# KiCad board 5wy19_converted.kicad_pcb (continued)
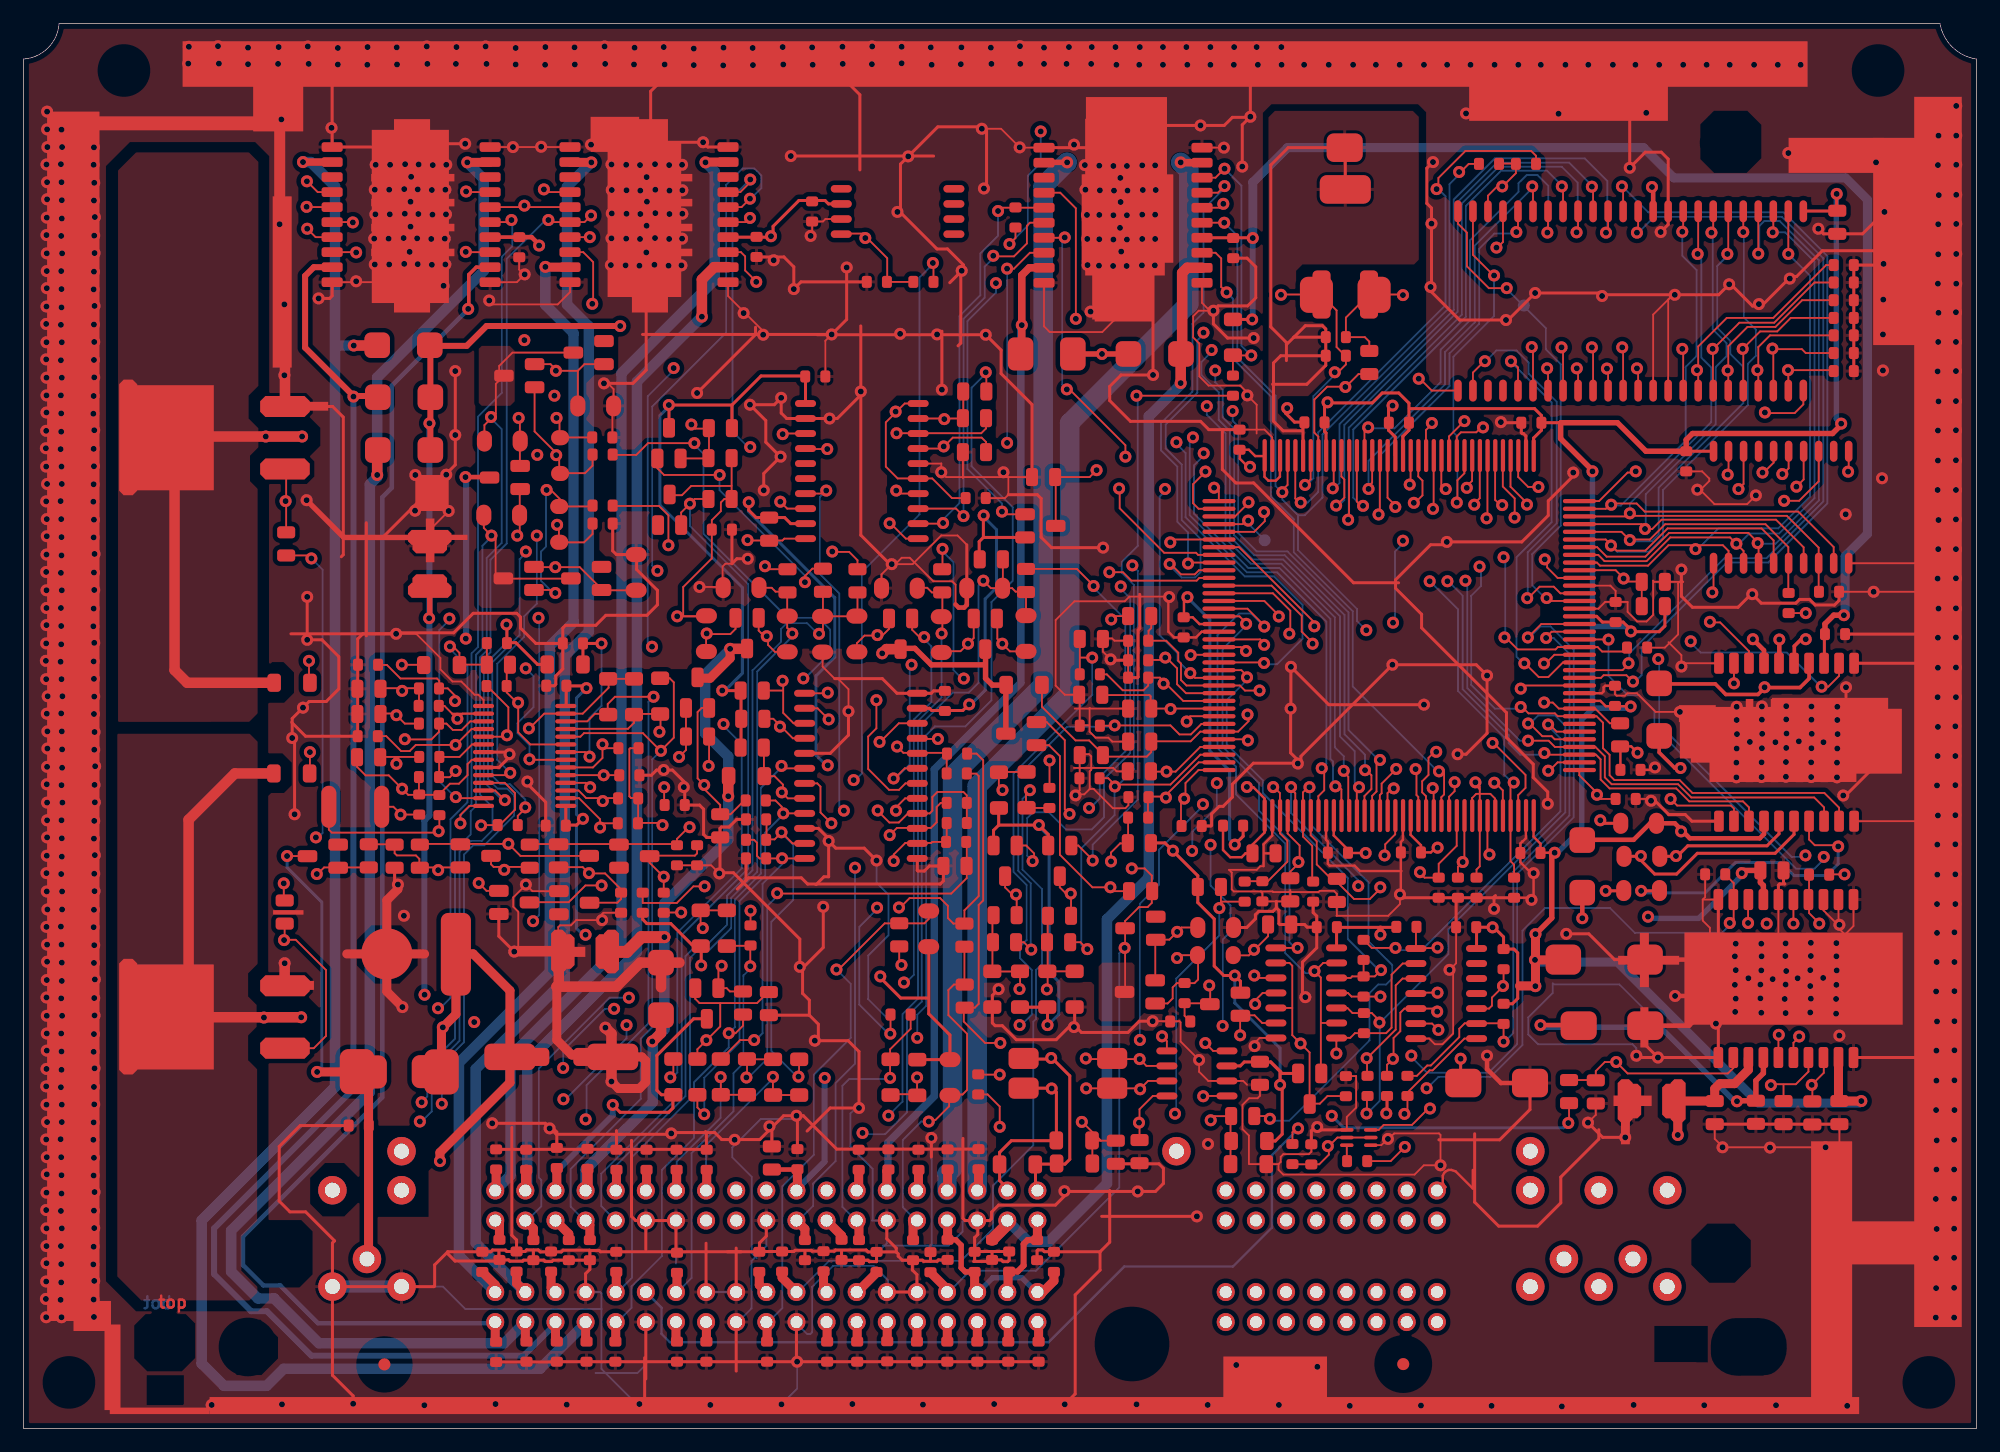
[diagram p0: board, top side]
## Routing (per net, layer and track width the routed paths; a pad name or vN(x,y) marks a point on that pad's centre or on a via; arc(x,y) is an arc through that point) (continued)
FUEL OUT DRV: length 72.3
  TopLayer w0.152: v1(98.65,63.88) 99.05,63.49 101.07,63.49 ; v1(54.52,74.7) 54.52,77.23 53.73,78.02 49.84,78.02 R25.2
  MidLayer2 w0.254: 54.41,74.7 55.17,74.7 60.91,80.44 76.25,80.44 76.86,79.83 91.16,79.83 91.8,80.47 95.43,80.47 96.34,79.55 96.34,79.48
  BottomLayer w0.152: v1(98.65,63.88) 97.58,64.96 97.58,65.58 96.06,67.09 96.06,78.82 96.52,79.27 v1(96.52,79.46)
Fuel Pump Out: length 135.3
  TopLayer w0.381: v1(148.46,66.73) 148.46,64.95
  TopLayer w0.762: J1.b28 70.48,8.95 C133.1
  MidLayer2 w0.254: 70.47,8.97 70.47,8.96 74.65,4.78 87.76,4.78 90.07,7.09 90.07,8.94 93.47,12.34 96.19,12.34 100.94,7.59 120.5,7.59 124.74,11.84 124.74,23.98 142.62,41.86 142.62,64.8 145.64,67.82 147.37,67.82 v1(148.46,66.73)
HIP0045 CE: length 29.4
  TopLayer w0.152: IC3.15 149.25,81.2 148.77,80.72 v1(148.72,80.72) ; 144.63,64.87 v1(144.63,63.02)
  MidLayer2 w0.254: v1(148.72,80.72) 150.34,80.72 151.92,79.15 151.92,66.32 151.13,65.53 147.14,65.53 v1(144.63,63.02)
HO2S Heater (B1/S1): length 98.3
  TopLayer w0.635: IC6.19 97.87,107.06 v1(97.84,107.09)
  TopLayer w0.762: J1.a8 80.75,20.23 C92.1
  BottomLayer w1.651: J1.a8 80.63,54.33 88.45,62.15 88.45,85.05 98.53,95.13 98.53,106.4 v1(97.84,107.09)
HO2S Heater (B1/S2): length 94.9
  TopLayer w0.457: v1(88.24,107.09) 86.31,107.09
  TopLayer w0.762: C94.1 78.13,20.16 J1.a9
  BottomLayer w1.651: v1(88.24,107.09) 88.22,107.09 86.21,105.07 86.21,62.87 78.55,55.21 78.55,21.97 78.08,21.51 J1.a9
HO2S Signal (B1/S1): length 70.4
  TopLayer w0.152: v1(86.53,37.13) 86.59,37.19 86.59,43.33 R112.1 ; R123.2 R124.2
  TopLayer w0.762: J1.b2 40.23,17.22 C106.1
  MidLayer2 w0.254: J1.b2 41.15,18.85 41.15,26.16 45.47,30.48 45.52,30.48 ; 49.81,35.61 50.24,35.18 84.45,35.18 86.36,37.08
  BottomLayer w0.152: v1(45.62,30.48) 45.62,31.95 49.16,35.49 v1(49.93,35.49)
HO2S Signal (B1/S2): length 67.9
  TopLayer w0.152: R111.1 81.92,43.32 81.92,38.84 82.12,38.64 84.15,38.64 84.26,38.53 84.26,37.21 v1(84.21,37.16)
  TopLayer w0.762: J1.b1 43.1,16.9 C113.1
  MidLayer2 w0.254: 51.08,36.5 51.82,35.76 82.68,35.76 84.05,37.13 84.05,37.16
  BottomLayer w0.152: v1(51.18,36.43) 49.55,36.43 43.57,30.45 43.57,21.2 43.77,21 43.77,18.78 42.57,17.58 J1.b1
IAT: length 68.3
  TopLayer w0.152: 114.63,45.8 114.63,45.57 113.84,44.78 112.5,44.78 110.79,46.48 110.57,46.48 109.35,47.7 109.35,49.66 108.83,50.17 108.83,51.83 ; v1(61.47,43.79) 61.47,42.58
  MidLayer2 w0.254: 114.63,45.8 114.63,45.75 113.67,44.78 112.32,44.78 112.01,45.09 100.33,45.09 98.86,43.61 95.53,43.61 94.21,42.29 62.81,42.29 61.29,43.82
  vias: v1(114.72,45.77)
IAT Sens Signal: length 35.6
  TopLayer w0.152: R109.2 59.49,40.82 61.33,40.82 61.44,40.71 v1(61.44,39.09)
  TopLayer w0.762: C126.2 55.25,11.62 J1.b15
  BottomLayer w0.152: v1(61.44,39.09) 61.44,38.89 60.86,38.3 60.86,30.89 60.03,30.05 60.03,26.82 56.48,23.28 56.48,12.72 55.29,11.53 J1.b15
IGN 2/3: length 102.8
  TopLayer w0.152: 115.98,51.83 115.98,50.25 115.14,49.4 115.14,48.59 114.99,48.44 ; v1(22,46.1) 22,44.63
  MidLayer2 w0.254: 114.99,48.44 114.22,47.68 112.73,47.68 111.35,49.05 107.42,49.05 105.87,47.5 99.31,47.5 97.82,46 94.36,46 93.07,44.7 90.55,44.7 88.95,46.3 61.42,46.3 59.89,44.78 23.32,44.78 v1(22,46.1)
  vias: v1(115.08,48.46)
IGN 2/3 MON: length 53.1
  TopLayer w0.152: IC9.2 67.13,60.91 v1(68.07,59.97) ; R76.1 24.21,55.42 v1(24.21,57.2)
  MidLayer2 w0.254: 24.23,57.2 28.37,61.34 32.44,61.34 34.26,63.17 45.39,63.17 47.09,61.47 48.06,61.47 49.78,63.2 53.52,63.2 55.7,61.01 59.41,61.01 59.99,60.43 67.41,60.43 67.87,59.97
IGN 4/1: length 126.2
  TopLayer w0.152: 115.33,51.83 115.33,53.74 115.82,54.23 ; v1(24.33,73.58) 24.08,73.84 R29.2
  MidLayer2 w0.254: v1(24.71,49.99) 26.31,48.39 56.85,48.39 63.35,54.89 68.2,54.89 69.19,55.88 71.83,55.88 71.96,56.01 85.42,56.01 86.03,55.4 87.22,55.4 87.71,55.88 89.87,55.88 90.35,55.4 94.18,55.4 95.1,54.48 99.36,54.48 100.96,52.88 114.43,52.88 115.65,54.1 115.7,54.1
  BottomLayer w0.152: v1(24.33,73.58) 24.33,73.58 25.28,72.64 25.28,50.36 24.91,49.99 v1(24.71,49.99)
  vias: v1(115.85,54.14)
IGN 4/1 MON: length 51.2
  TopLayer w0.152: v1(68,62.23) 67.95,62.18 IC9.1 ; 23.96,62.64 24.13,62.81 v1(24.13,64.92)
  MidLayer2 w0.254: 67.87,62.23 67.23,61.6 61.49,61.6 59.64,63.45 55.04,63.45 54.08,64.41 44.37,64.41 43.38,65.41 41.66,65.41 40.64,64.39 35.08,64.39 33.78,65.68 24.92,65.68 24.16,64.92 v1(24.13,64.92)
Ign. Coil 1&4: length 113.8
  TopLayer w0.889: R60.2 13.83,63.07 12.76,64.14 12.76,81.94 ; v1(23.55,83.9) 15.04,83.9
  MidLayer2 w2.413: 26.14,20.12 21.82,20.12 12.24,29.69 12.24,75.74 20.4,83.9 v1(23.55,83.9)
  vias: v1(20.47,83.9)
Ign. Coil 2&3: length 58.2
  TopLayer w0.889: Q24.2 12.55,34.77 v1(23.47,34.77) ; 13.31,36.52 13.95,37.15 13.95,51.48 17.86,55.4 R76.2
  MidLayer2 w2.032: 31.98,20.12 30.94,20.12 20.32,30.73 v1(20.32,34.75) 20.35,34.77 v1(23.47,34.77)
IMMO Data W-Line: length 86.9
  TopLayer w0.152: v1(93.7,47.36) 94.79,47.36 95.4,46.76 95.4,44.44 95.05,44.09 94.32,44.09 93.14,42.92 93.14,36.97 92.9,36.73 ; IC9.7 67.11,54.56 67.38,54.28 67.38,52.1 v1(68.3,51.18)
  TopLayer w0.762: C125.2 76.68,13.19 78.08,11.79 J1.b6
  MidLayer2 w0.254: 93.62,47.37 93.62,48.06 92.63,49.05 70.26,49.05 68.07,51.23
  BottomLayer w0.152: J1.b6 78.23,11.53 80.03,13.33 85.61,13.33 92.64,20.37 92.64,40.19 v1(93.1,40.64)
IMMO Lamp Out: length 118.8
  TopLayer w0.305: IC8.12 38.28,98.22 37.64,97.59 37.64,94.74 v1(37.59,94.69)
  TopLayer w0.762: J1.b40 39.88,7.39
  BottomLayer w0.381: J1.b40 39.78,8.89 24.89,8.89 21.69,12.09 20.27,12.09 18.55,13.8 18.55,16.23 30.33,28.01 30.33,78.76 31.13,79.57 31.13,88.2 37.59,94.66 v1(37.59,94.69)
IN0: length 30.5
  TopLayer w0.152: 120.53,51.83 120.53,53.42 121.01,53.9 121.01,54.48 120.85,54.64 ; IC4.2 144.63,52.43 144.37,52.68 139.83,52.68 v1(139.27,53.24)
  MidLayer2 w0.254: v1(139.27,53.24) 137.67,54.84 132.77,54.84 131.93,54 128.04,54 126.19,55.85 122.07,55.85 120.85,54.64
  vias: v1(121.01,54.66)
IN1: length 61.2
  TopLayer w0.152: v1(152.04,62.74) 152.6,62.74 153.52,63.65 IC4.12 ; 101.07,74.54 102.78,74.54 109.04,68.28 109.04,67.84
  MidLayer2 w0.254: v1(140.97,66.57) 140.89,66.57 139.09,68.38 131.83,68.38 129.26,65.81 124.59,65.81 123.95,66.45 110.44,66.45 109.04,67.84
  BottomLayer w0.152: v1(152.04,62.74) 151.98,62.74 149.1,65.62 141.81,65.62 140.97,66.46 v1(140.97,66.57)
  vias: v1(109.14,67.84)
Injector 1: length 98.6
  TopLayer w0.762: C96.1 39.95,20.19 ; v1(57.66,107.09) 57.68,107.11 IC10.19
  BottomLayer w0.889: J1.a24 41.17,21.41 41.17,31.48 50.55,40.87 50.55,89.25 58.44,97.14 58.44,106.31 v1(57.66,107.09)
Injector 2: length 97.2
  TopLayer w0.762: IC10.9 44.15,98.22 ; J1.b21 39.88,12.14 C123.2
  BottomLayer w0.889: v1(44.12,98.25) 44.12,95.03 46.5,92.65 46.5,68.18 44.49,66.17 44.49,38.61 36.81,30.93 36.81,14.6 J1.b21
Injector 3: length 106.7
  TopLayer w0.762: v1(48.01,107.09) 46.23,107.09 ; J1.b20 41.68,12.28 C118.2
  BottomLayer w0.889: v1(48.01,107.09) 45.95,105.03 45.95,95.06 47.79,93.22 47.79,67.38 45.76,65.34 45.76,37.93 38.23,30.4 38.23,15.69 42.38,11.53 J1.b20
Injector 4: length 89.4
  TopLayer w0.762: C102.1 42.5,20.19 J1.a23
  TopLayer w0.889: v1(57.35,94.03) 57.35,97.18 58.39,98.22 IC10.12 ; C102.1 42.5,20.19
  BottomLayer w0.889: J1.a23 42.59,20.28 42.59,31.01 51.86,40.28 51.86,88.53 v1(57.35,94.03)
ISCV PWM Close: length 150.8
  TopLayer w0.635: IC8.2 v1(23.62,107.11)
  TopLayer w0.762: J1.b37 47.52,7.42
  TopLayer w0.889: 29.97,91.59 v1(27.91,91.59)
  BottomLayer w0.889: v1(23.62,107.11) 24.27,107.11 26.33,105.05 26.33,28.87 15.05,17.59 15.05,5.49 16.93,3.6 20.55,3.6 21.99,5.04 43.66,5.04 47.52,8.9 J1.b37 ; v1(27.91,91.59) 26.52,91.59
ISCV PWM Open: length 137
  TopLayer w0.762: 39.42,107.09 v1(37.52,107.09) ; J1.b39 42.43,7.44
  TopLayer w0.889: 29.9,82.78 v1(29.9,80.65)
  BottomLayer w0.889: J1.b39 40.63,7.2 24.97,7.2 21.19,10.99 19.81,10.99 17.55,13.25 17.55,16.72 29.27,28.45 29.27,79.84 29.9,80.47 29.9,88.89 38.9,97.9 38.9,105.7 v1(37.52,107.09)
K-Line: length 68
  TopLayer w0.152: v1(57.92,56.03) 57.96,56.07 R70.2 ; v1(64.08,56.03) 64.29,55.83 IC9.6 ; R130.2 60.83,34.06 60.2,33.43 v1(59.62,33.43)
  TopLayer w0.762: J1.b36 50.07,7.37
  MidLayer2 w0.254: 63.96,56.06 63.5,56.52 58.27,56.52 57.76,56.01
  BottomLayer w0.152: J1.b36 50.2,8.99 51.4,10.19 51.4,12 53.97,14.58 53.97,21.86 56.68,24.57 56.68,29.28 59.62,32.22 v1(59.62,33.43) 60.14,33.94 60.14,44.73 62.34,46.93 62.34,54.18 64.08,55.92
KNK VRef: length 27.4
  TopLayer w0.152: v1(64.19,84.1) 64.24,84.15 IC5.3 ; IC5.20 74.5,86.69 72.91,85.09 72.91,81.35 73.91,80.35 76.83,80.35 78.5,78.69 C16.1
  MidLayer2 w0.254: 63.98,84.18 64.01,84.15 71.81,84.15 73.63,85.98 73.63,86.06
  vias: v1(73.74,86)
KNOCK: length 73.7
  TopLayer w0.152: 109.65,55.85 109.98,55.53 109.98,53.97 109.48,53.47 109.48,51.83 ; v1(67.95,82.84) 66.16,82.84
  MidLayer2 w0.254: 67.74,82.91 68.99,81.66 74.7,81.66 77.24,84.2 78.74,84.2 78.99,84.46 98.12,84.46 98.76,83.82
  BottomLayer w0.152: v1(98.88,83.82) 98.6,83.55 98.6,77.25 103.43,72.41 105.99,72.41 110.16,68.24 110.16,56.23 v1(109.77,55.84)
KNOCK IC CS: length 43.2
  TopLayer w0.152: IC5.8 64.57,77.8 v1(63.98,78.38) ; 101.07,73.89 99.32,73.89 99.14,74.07 96.44,74.07 92.68,77.83 92.68,79.22 92.46,79.45
  MidLayer2 w0.254: 63.88,78.33 63.96,78.26 78.92,78.26 79.91,79.25 92.25,79.25 92.46,79.45
  vias: v1(92.63,79.5)
KNOCK INTEGRATE: length 90.5
  TopLayer w0.152: 114.68,51.83 114.68,53.57 114.83,53.72 114.83,54.53 115.9,55.6 115.9,55.78 ; v1(67.87,79.32) 67.61,79.07 IC5.7
  MidLayer2 w0.254: 98.68,48.84 97.61,47.78 94.79,47.78 92.89,49.68 75.92,49.68 74.42,51.18 70.36,51.18 69.27,52.27 ; 100.76,54.58 101.52,55.35 105.16,55.35 107.52,57.71 114.91,57.71 115.9,56.72 115.9,55.78
  BottomLayer w0.152: v1(69.36,52.25) 68.97,52.64 68.97,70.63 67.33,72.27 67.33,78.78 v1(67.87,79.32) ; v1(98.8,48.85) 98.83,48.87 98.83,50.46 100.9,52.54 v1(100.9,54.58)
  vias: v1(116.07,55.78)
Knock Sens Signal: length 14.9
  TopLayer w0.152: C79.2 81.52,28.24 82.54,27.22 v1(82.54,25.51)
  TopLayer w0.762: J1.a10 75.67,20.25 R155.1
  MidLayer2 w0.254: 82.42,25.55 80.9,25.55 75.54,20.19 J1.a10
MAF IN: length 12.3
  TopLayer w0.152: R56.2 91.59,63.78 92.94,62.43 94.69,62.43 95.1,62.84 C27.2 96.09,63.5 98.05,61.54 101.07,61.54
  vias: v1(96.39,62.99)
MAF Sens Signal: length 100.6
  TopLayer w0.152: v1(90.36,65.2) 89.33,65.2 ; R56.1 89.31,63.78 89.31,66.77 R51.1
  TopLayer w0.762: C117.2 44.6,11.9 J1.b19
  MidLayer2 w0.254: 50.85,34.09 51.31,34.54 83.67,34.54 84.1,34.11 ; J1.b19 44.97,11.65 46.2,12.88 46.2,21.08 45.64,21.64 v1(45.64,27.84)
  BottomLayer w0.152: v1(90.36,65.2) 90.36,62.04 83.71,55.4 83.71,47.06 84.81,45.96 84.81,41.3 84.25,40.74 84.25,39.78 85.26,38.77 85.26,35.01 84.36,34.11 v1(84.22,34.11) ; v1(45.64,27.84) 45.83,27.84 50.98,33 v1(50.98,34.11)
Main Relay Control: length 107.8
  TopLayer w0.305: v1(140.11,55.85) 139.62,55.85 138.3,57.18 D8.2
  TopLayer w0.762: C132.1 75.54,8.99 J1.b26
  MidLayer2 w0.254: v1(140.11,55.85) 141.4,54.56 141.4,42.42 123.55,24.56 123.55,15.72 121.41,13.59 92.99,13.59 88.82,9.42 88.82,7.57 87.2,5.94 78.59,5.94 75.57,8.97 75.56,8.97
MC333 SPI CS: length 174.8
  TopLayer w0.152: v1(23.98,101.47) 24.69,100.76 IC8.7 ; v1(88.04,100.74) 88.01,100.71 IC6.7 ; IC3.16 147.98,81.69 147.14,80.85 v1(147.04,80.85) ; v1(88.21,87.88) 88.44,87.88 93.17,83.16 v1(93.17,82.19) ; v1(47.88,100.76) IC10.7
  MidLayer2 w0.254: v1(23.98,101.47) 23.98,101.55 26.06,103.63 26.06,107.34 29.18,110.46 78.84,110.46 87.88,101.42 87.88,100.89 v1(88.04,100.74) ; 47.73,100.81 47.73,100.86 45.64,102.95 45.64,110.41 ; v1(147.04,80.85) 147.02,80.85 146.13,81.74 142.27,81.74 139.73,79.2 133.55,79.2 129.54,75.18 122.86,75.18 121.89,76.15 115.98,76.15 114.96,75.13 110.13,75.13 109.55,75.72 102.67,75.72 96.7,81.69 93.5,81.69 92.99,82.19
  BottomLayer w0.152: v1(88.04,100.74) 87.82,100.52 87.82,88.28 v1(88.21,87.88)
MCU CLK OUT: length 110
  TopLayer w0.203: 135.03,57.66 C39.2 ; 135.03,57.66 R68.1 ; 135.03,57.66 135.05,57.68 135.94,57.68 v1(136.47,57.15)
  TopLayer w0.254: v1(61.32,78.33) 61.32,77.67 61.94,77.04 64.36,77.04 64.86,76.53 IC5.9
  MidLayer2 w0.254: 67.84,56.06 68.15,56.06 68.58,56.49 71.53,56.49 71.63,56.59 85.12,56.59 86.61,58.09 89.38,58.09 90.88,56.59 101.65,56.59 102.29,55.96 104.9,55.96 107.29,58.34 121.77,58.34 123.62,56.49 126.47,56.49 128.37,54.58 131.6,54.58 134.16,57.15 v1(136.47,57.15)
  BottomLayer w0.254: v1(68,56.08) 67.86,56.08 67,56.94 67,63.65 68.59,65.24 68.59,70.27 61.32,77.54 v1(61.32,78.33)
Mem Power Supply: length 41.4
  TopLayer w0.152: 24.04,48.41 v1(22.28,48.41)
  TopLayer w0.762: J1.a3 29.17,14.46 29.17,29.7 28.72,30.15 v1(24.82,30.15)
  BottomLayer w0.254: v1(22.28,48.41) 22.28,47.45 25.21,44.52 25.21,30.54 v1(24.82,30.15)
MEMPWR MASK: length 160.9
  TopLayer w0.152: v1(55.6,43.64) 54.15,43.64 ; IC3.13 151.79,80.11 150.14,78.46 v1(148.87,78.46)
  MidLayer2 w0.254: 43.46,68.58 43.79,68.91 53.54,68.91 54.69,70.05 55.5,70.05 56.13,69.42 92.41,69.42 93.09,68.73 99.75,68.73 100.71,69.7 106.93,69.7 107.49,69.14 116.28,69.14 117.17,68.25 123.39,68.25 124.23,69.09 129.92,69.09 131.01,70.18 140.49,70.18 142.47,72.16 146.58,72.16 148.39,73.96 148.39,77.98 v1(148.87,78.46) ; 42.93,42.93 44.2,44.2 54.89,44.2 55.42,43.66
  BottomLayer w0.152: v1(43.08,42.9) 43.59,43.41 43.59,68.51 v1(43.54,68.56)
MEMPWR MON: length 98.9
  TopLayer w0.152: 125.08,51.83 125.08,53.96 124.43,54.61 124.28,54.61 ; v1(48.87,45.92) 47.51,45.92 46.09,44.51 42.79,44.51 Q21.3 ; v1(57.58,45.85) 56.64,45.85 55.23,44.44 52.35,44.44 R105.1
  MidLayer2 w0.254: 48.72,45.92 49.23,45.42 56.97,45.42 57.43,45.87 60.05,45.87 63.45,49.28 64.49,49.28 68.53,53.31 74.27,53.31 74.73,52.86 86.33,52.86 88.01,54.53 89.51,54.53 91.41,52.63 94.36,52.63 95.3,51.69 121.36,51.69 124.28,54.61
  vias: v1(124.36,54.61)
MIL Out: length 135.4
  TopLayer w0.381: v1(146.23,66.75) 147.17,65.81 IC4.17
  TopLayer w0.762: C134.1 67.95,8.94 J1.b29
  MidLayer2 w0.254: 67.92,8.97 67.92,8.94 72.72,4.14 87.93,4.14 90.68,6.88 90.68,8.71 93.73,11.76 95.89,11.76 100.63,7.01 120.75,7.01 125.35,11.61 125.35,23.75 143.21,41.61 143.21,63.73 v1(146.23,66.75)
MISO: length 197.4
  TopLayer w0.152: v1(73.23,76.56) 73.31,76.56 74.6,75.26 IC5.11 ; v1(61.42,104.01) 60.71,103.3 IC10.16 ; R89.1 41.78,51.81 42.42,52.44 v1(42.42,52.53) ; 128.45,57.15 128.61,56.99 132.96,56.99 133.35,56.59 133.35,54.89 134.11,54.13 139.75,54.13 140.84,53.04 145.39,53.04 145.9,52.53 IC4.3
  MidLayer2 w0.254: v1(120.4,71.65) 120.4,71.68 119.35,72.72 108.99,72.72 108.38,73.33 101.65,73.33 97.79,77.19 85.04,77.19 83.29,75.44 77.19,75.44 76.1,76.53 58.9,76.53 55.4,73.03 46.1,73.03 44.93,74.19 42.49,74.19 v1(42.47,74.17)
  MidLayer2 w0.762: 53.44,72.75 53.44,72.54
  BottomLayer w0.152: v1(61.42,104.01) 61.48,104.01 62.38,104.91 62.38,105.98 61.79,106.57 60.79,106.57 59.4,105.18 59.4,92.68 53.15,86.43 53.15,72.99 v1(53.59,72.54) ; v1(120.4,71.65) 120.47,71.65 121.69,70.44 121.69,62.53 125.58,58.63 125.58,57.96 126.55,56.98 128.46,56.98 v1(128.6,57.12) ; v1(42.47,74.17) 42.47,74.04 41.94,73.51 41.94,67.1 39.62,64.78 39.62,55.18 40.31,54.5 41.11,54.5 42.42,53.19 v1(42.42,52.53)
MISO1: length 103.1
  TopLayer w0.152: IC6.16 101.12,103.25 v1(101.45,103.58) ; 83.87,101.68 83.87,100.69 v1(83.36,100.18) ; IC8.5 23.95,103.3
  MidLayer2 w0.254: v1(23.93,103.33) 23.98,103.33 25.48,104.83 25.48,107.72 28.83,111.07 84.56,111.07 85.9,109.73 97.38,109.73 99.9,107.21 99.9,104.98 101.3,103.58 101.35,103.58
  BottomLayer w0.152: 83.36,100.18 84.92,101.74 84.92,105.96 86,107.05 v1(86,109.7)
MISO2: length 6.9
  TopLayer w0.152: IC10.5 42.47,103.3 v1(42.34,103.43) 42.21,103.3 IC8.16
MLTPLX D0: length 51.1
  TopLayer w0.152: 131.55,73.24 133.04,73.24 133.3,72.97 137.36,72.97 139.09,74.7 143.69,74.7 144.17,74.22 IC3.2 ; IC2.24 v1(149.23,99.34)
  BottomLayer w0.152: v1(149.23,99.34) 149.23,99.33 151.06,97.49 151.06,78.82 148.38,76.13 143.32,76.13 141.56,74.37 v1(141.38,74.37)
MLTPLX D1: length 51
  TopLayer w0.152: IC3.3 145.44,74.22 144.3,75.36 139.24,75.36 137.24,73.36 133.68,73.36 133.15,73.89 131.55,73.89 ; IC2.25 147.95,101.22
  BottomLayer w0.152: v1(147.9,101.17) 148.96,101.17 151.43,98.69 151.43,78.68 148.45,75.7 145.92,75.7 145.05,74.83 v1(144.83,74.83)
MLTPLX D2: length 58
  TopLayer w0.152: 131.55,74.54 133.06,74.54 133.86,73.74 137.13,73.74 139.14,75.74 145.85,75.74 146.71,74.88 IC3.4 ; IC2.26 v1(146.69,99.36)
  BottomLayer w0.152: v1(146.69,99.36) 146.78,99.46 146.78,101.72 147.19,102.13 148.48,102.13 151.81,98.8 151.81,78.49 148.14,74.83 146.69,74.83 v1(146.63,74.88)
MLTPLX D3: length 56.4
  TopLayer w0.152: IC2.27 v1(145.42,101.19) ; 131.55,75.19 133.78,75.19 134.26,74.7 134.26,74.68 134.7,74.24 137.13,74.24 139.01,76.12 146.96,76.12 147.98,75.11 IC3.5
  BottomLayer w0.152: v1(134.23,74.68) 134.76,74.15 137.44,74.15 138.63,75.34 138.63,79.38 145.8,86.55 145.8,90.05 146.48,90.72 146.48,92.95 145.47,93.96 145.47,101.14 v1(145.42,101.19)
MLTPLX D4: length 57.5
  TopLayer w0.152: 131.55,75.84 135.11,75.84 135.76,75.18 137.52,75.18 138.81,76.48 147.29,76.48 149.23,74.55 149.23,70.69 R42.1 ; v1(144.07,99.34) 144.14,99.42 IC2.28
  BottomLayer w0.152: v1(144.07,99.34) 144.07,99.18 143.21,98.32 143.21,93.09 144.32,91.98 144.32,90.88 145.41,89.79 145.41,86.72 138.26,79.57 138.26,75.62 137.68,75.04 135.92,75.04 v1(135.82,75.13)
MLTPLX D5: length 52.3
  TopLayer w0.152: v1(142.72,101.14) 142.88,101.3 IC2.29 ; IC3.7 150.52,74.52 148.18,76.86 138.51,76.86 137.72,76.07 137.21,76.07 136.8,76.49 131.55,76.49
  BottomLayer w0.152: 137.17,75.9 137.17,79.02 143.08,84.93 143.08,89.77 143.99,90.68 143.99,91.79 142.83,92.96 142.83,101.03 v1(142.72,101.14)
  vias: v1(137.11,76.08)
MLTPLX D6: length 54.2
  TopLayer w0.152: v1(141.55,99.34) 141.61,99.39 IC2.30 ; 131.55,77.14 135.5,77.14 135.76,77.39 135.97,77.19 149.1,77.19 151.79,74.5 151.79,70.79 R41.2
  BottomLayer w0.152: v1(135.82,77.4) 135.82,78.24 142.7,85.11 142.7,89.74 141.87,90.58 141.87,99.03 v1(141.55,99.34)
MLTPLX D7: length 53.5
  TopLayer w0.152: 131.55,77.79 133.79,77.79 134.24,78.23 136.4,78.23 137.08,77.55 150.06,77.55 153.06,74.55 IC3.9 ; IC2.31 140.33,101.3 v1(140.26,101.22)
  BottomLayer w0.152: v1(134.25,78.13) 134.32,78.06 135.06,78.06 140.54,83.54 140.54,89.79 141.47,90.71 141.47,97.98 140.26,99.19 v1(140.26,101.22)
MOSI: length 189.4
  TopLayer w0.152: v1(41.15,55.45) 40.95,55.25 U11.24 ; IC5.12 77.7,76.53 v1(77.75,76.58) ; IC4.8 152.25,52.53 151.41,53.37 141.02,53.37 139.9,54.48 134.29,54.48 133.71,55.07 133.71,56.85 132.92,57.64 129.49,57.64 128.96,58.17 127.13,58.17 ; IC6.5 82.68,103.25 v1(82.4,102.97)
  MidLayer2 w0.254: v1(121.92,71.7) 121.92,71.73 120.29,73.36 109.27,73.36 108.71,73.91 101.88,73.91 98.04,77.75 84.66,77.75 82.96,76.05 78.08,76.05 76.48,77.65 72.44,77.65 71.91,77.11 58.5,77.11 55.02,73.63 46.33,73.63 45.16,74.8 43.99,74.8 43.33,75.46
  BottomLayer w0.152: v1(41.15,55.45) 40.05,56.55 40.05,64.68 42.32,66.95 42.32,68.68 43.39,69.75 v1(43.39,75.52) ; v1(127.22,58.17) 126.52,58.17 122.08,62.61 122.08,71.55 v1(121.92,71.7) ; v1(82.4,102.97) 82.4,100.88 80.9,99.38 80.9,95.85 79.13,94.08 79.13,78.26 77.75,76.88 v1(77.75,76.58)
NewNet6: length 66.1
  TopLayer w0.152: R52.1 39.17,64.87 38.9,64.6 36.89,64.6 36.85,64.65 36.85,65.6 36.31,66.14 v1(36.04,66.14)
  TopLayer w0.762: 52.67,20.18 52.61,20.12
  MidLayer2 w0.254: 34.98,35.46 42.06,35.46 46.76,30.76 46.76,27.25 46.28,26.77 46.28,25.91 47.22,24.97 48.39,24.97 52.61,20.74 52.61,20.12
  BottomLayer w0.152: v1(35.04,35.54) 35.21,35.54 36.09,36.41 36.09,51.51 37.53,52.95 37.53,64.46 36.04,65.94
NewNet34: length 71
  TopLayer w0.152: R153.1 107.29,24.06 107.29,25.05 107.77,25.53
  BottomLayer w0.203: v1(107.77,25.37) 107.77,25.33 105.56,23.12 105.56,16.98 102.26,13.69 93.07,13.69 86.66,7.28 54.65,7.28 53.94,7.99 53.94,10.2 52.61,11.53
NewNet36: length 74
  TopLayer w0.152: v1(53.26,61.88) 50,61.88 49.39,61.27 49.39,60.55 49.28,60.44 48.3,60.44 47.66,59.8 U11.12
  TopLayer w0.762: 62.8,11.53 62.2,12.13
  MidLayer2 w0.254: 62.8,11.53 62.8,11.57 61.49,12.88 61.49,21.34 60.58,22.25 52.02,22.25 48.13,26.14 v1(47.52,26.14)
  BottomLayer w0.152: v1(47.52,26.14) 47.6,26.22 47.6,29.02 52.83,34.25 52.83,61.45 v1(53.26,61.88)
NewNet72: length 41.6
  TopLayer w0.152: 128.7,70.23 128.95,69.99 131.55,69.99 ; 121.29,102.95 121.29,101.9 122.05,101.14 122.05,98.3 123.9,96.44 125.32,96.44
  BottomLayer w0.152: v1(125.41,96.45) 125.41,96.37 128.72,93.06 128.72,91.27 129.98,90.01 129.98,76.36 127.57,73.95 127.57,71.31 128.65,70.23 v1(128.79,70.23)
NewNet77: length 84.3
  TopLayer w0.152: 131.55,66.09 129.74,66.09 129.54,65.89 126.34,65.89 125.32,66.9 v1(125.22,66.9) ; C24.1 135.25,65.71 133.48,65.71 133.1,66.09 131.52,66.09 ; R35.1 70.51,73.43 69.81,74.14 68.41,74.14 v1(68.38,74.17)
  MidLayer2 w0.254: 68.22,74.17 68.71,74.65 73.76,74.65 75.77,72.64 78.33,72.64 79.96,74.27 83.77,74.27 85.5,76 97.26,76 101.12,72.14 107.9,72.14 108.51,71.53 117.32,71.53 118.24,70.61 122.35,70.61 125.15,73.41 v1(125.15,73.69)
  BottomLayer w0.152: v1(125.22,66.9) 125.28,66.97 125.28,73.55 v1(125.15,73.69)
NewNet117: length 78.7
  TopLayer w0.152: R69.1 32.23,59.61 31.38,60.47 30.21,60.47 C33.2 ; 98.2,59.79 98.64,60.24 101.07,60.24
  MidLayer2 w0.254: 31.45,60.27 32.21,60.27 34.49,62.56 45.08,62.56 46.79,60.86 54.61,60.86 57.76,57.71 69.57,57.71 71.83,59.97 77.8,59.97 78.79,58.98 83.87,58.98 85.39,60.5 94.92,60.5 95.63,59.79 98.2,59.79
  vias: v1(31.52,60.33) v1(98.35,59.79)
NewNet120: length 82.3
  TopLayer w0.152: C26.1 29.99,64.57 30.72,64.57 31.86,63.43 34.95,63.43 35.15,63.24 35.15,62.6 35.14,62.59 35.86,62.59 36.47,61.98 v1(36.47,61.52) ; 101.07,58.29 103.33,58.29 103.43,58.19
  MidLayer2 w0.254: v1(36.47,61.52) 36.86,61.52 38.13,60.25 54.31,60.25 57.43,57.12 69.8,57.12 72.06,59.39 77.57,59.39 78.56,58.39 84.18,58.39 85.67,59.89 90.14,59.89 91.67,58.37 103.25,58.37 103.43,58.19
  vias: v1(103.52,58.19)
NewNet129: length 46.7
  TopLayer w0.152: v1(105.38,26.19) 105.15,26.42 104.07,26.42 C86.2 ; C69.1 108.97,46.33 108.97,49.28 108.18,50.06 108.18,53.8 108.61,54.23
  BottomLayer w0.152: v1(105.38,26.19) 105.56,26.02 107.02,26.02 113.81,32.81 113.81,36.81 114.54,37.54 115.22,37.54 115.73,38.05 115.73,39.19 113.73,41.19 113.73,46.18 108.76,51.14 108.76,54.2 v1(108.73,54.23)
NewNet182: length 145.9
  TopLayer w0.152: 150.52,82.65 150.52,80.26 v1(149.91,79.65) ; U11.27 36.63,53.3 v1(36.54,53.4)
  MidLayer2 w0.254: v1(149.91,79.65) 148.49,79.65 147.78,78.94 147.78,74.24 146.33,72.8 142.21,72.8 140.23,70.82 133.91,70.82 133.45,71.27 125.55,71.27 123.09,68.81 117.48,68.81 116.59,69.7 107.82,69.7 107.21,70.31 100.46,70.31 99.44,69.29 93.42,69.29 92.68,70.03 56.41,70.03 55.8,70.64 54.48,70.64 53.39,69.55 44.27,69.55 44.12,69.7 37.13,69.7 35.97,68.53 35.94,68.53
  BottomLayer w0.152: v1(36,68.5) 36,68.38 35.15,67.52 35.15,54.73 36.48,53.4 v1(36.54,53.4)
NewNet200: length 8
  TopLayer w0.152: U17.2 111.09,24.6 110.37,23.88 110.37,23.15 109.56,22.33 107.31,22.33 R153.2
  vias: v1(110.29,23.88)
NewNet201: length 70.4
  TopLayer w0.152: v1(150.7,68.96) R42.2 ; U17.3 114.59,25.25 115.01,25.67 117.4,25.67 118.95,27.22 118.98,27.22
  MidLayer2 w0.254: v1(150.7,68.96) 144.96,68.96 141.4,65.41 141.4,58.95 139.01,56.57 139.01,55.19 140.67,53.54 140.67,52.53 137.72,49.58 136.4,49.58 135.66,48.84 135.66,42.55 129.29,36.17 124.82,36.17 120.24,31.6 120.24,28.58 118.87,27.2 118.82,27.2
  vias: v1(118.92,27.05)
NewNet202: length 1.4
  TopLayer w0.152: U17.6 111.89,22.63 R157.2
NewNet203: length 8.9
  TopLayer w0.152: U4.4 69.19,101.07 70.94,101.07 73.02,98.98 73.02,97.1 73.15,96.98 C7.1
  vias: v1(71.17,100.69)
NewNet211: length 40.2
  TopLayer w0.152: R84.1 35.15,50.57 34.98,50.39 26.06,50.39 25.81,50.65 D9.1 ; R58.1 49.15,63.4 49.46,63.08 49.46,62.65 47.27,60.45 44.01,60.45 42.77,59.21 v1(42.72,59.21)
  MidLayer2 w0.254: 35.05,50.52 35.05,57.99 35.97,58.9 37.36,58.9 38.15,59.69 42.16,59.69 42.65,59.21
  vias: v1(35.09,50.51)
NewNet212: length 10.5
  TopLayer w0.152: U11.11 45.87,59.17 51.1,59.17 51.61,59.68 R58.2 51.67,60.43 53.82,60.43 53.86,60.39 53.86,59.02 v1(53.76,58.92)
NewNet213: length 10.7
  TopLayer w0.152: R54.2 40.85,64.32 40.85,62.25 41.82,61.28 41.82,58.88 42.85,57.85 U11.9
  vias: v1(41.81,61.39)
NewNet214: length 15.8
  TopLayer w0.152: U11.8 47.47,57.2 v1(47.85,56.82)
  TopLayer w0.254: R53.2 47.29,66.18 47.08,66.39 v1(48.86,66.39)
  BottomLayer w0.152: v1(48.86,66.39) 48.87,66.38 48.87,61.12 47.85,60.1 v1(47.85,56.82)
NewNet215: length 24.8
  TopLayer w0.152: U11.7 42.81,56.55 v1(42.77,56.59) ; 33.76,64.59 v1(31.98,64.59)
  MidLayer2 w0.254: 31.95,64.62 32.79,63.78 41.78,63.78 42.34,64.34
  BottomLayer w0.152: v1(42.77,56.59) 42.77,57.79 41.76,58.8 41.76,59.65 43.11,61.01 43.11,63.63 v1(42.46,64.29)
NewNet216: length 6.1
  TopLayer w0.152: U11.6 48.14,55.9 48.95,56.71 v1(48.95,57.86) 49.28,57.53 C37.1
NewNet217: length 4.5
  TopLayer w0.152: 50.38,55.25 U11.5
  vias: v1(49.05,55.25)
NewNet218: length 9.9
  TopLayer w0.152: U11.4 47.53,54.6 v1(47.9,54.23) ; v1(54.16,54.23) 54.16,52.7
  MidLayer2 w0.254: 54.03,54.2 47.83,54.2
NewNet219: length 4.7
  TopLayer w0.152: 50.27,53.31 47.57,53.31 46.93,53.95 U11.3
  vias: v1(48.97,53.06)
NewNet220: length 6.3
  TopLayer w0.152: C49.1 48.68,51.18 48.74,51.12 v1(48.74,50.83) 48.74,51.52 46.96,53.3 U11.2
NewNet221: length 7.1
  TopLayer w0.152: 36.24,60.45 U11.16 37.11,60.45 v1(36.68,60.02) 36.67,60.02 36.24,60.45 ; 36.24,60.45 35.58,61.11 ; 35.58,61.11 R66.2 ; 35.58,61.11 35.59,61.11
NewNet222: length 8.1
  TopLayer w0.152: v1(32.23,58.29) 32.25,58.27 34.48,58.27 35.11,58.91 35.11,59.6 R69.2 35.75,59.61 36.29,59.08 37.04,59.08 37.76,59.8 U11.17
NewNet223: length 10.2
  TopLayer w0.152: C35.1 29.95,58.56 30.66,58.56 31.92,57.29 32.64,57.29 33.16,57.81 36.53,57.81 37.88,59.15 U11.18
  vias: v1(36.53,57.81)
NewNet224: length 7
  TopLayer w0.152: U11.19 40.75,58.5 40.99,58.74 40.99,60.99 39.19,62.79 R62.1
  vias: v1(40.87,58.62)
NewNet225: length 7.5
  TopLayer w0.152: U11.20 37.92,57.85 36.86,56.79 35.15,56.79 R75.2 35.13,56.78 35.13,55.2 35.25,55.08 36.03,55.08 36.53,55.57 v1(36.53,55.6)
NewNet226: length 15.8
  TopLayer w0.152: R74.1 28.19,55.96 28.91,55.24 30.87,55.24 32.52,53.59 35.1,53.59 36.04,54.53 36.81,54.53 37.54,55.26 37.54,56.19 37.9,56.55 U11.22 ; R81.1 33.43,53.58
  vias: v1(32,54.11)
